# KiCad board Motherboard.kicad_pcb (continued)
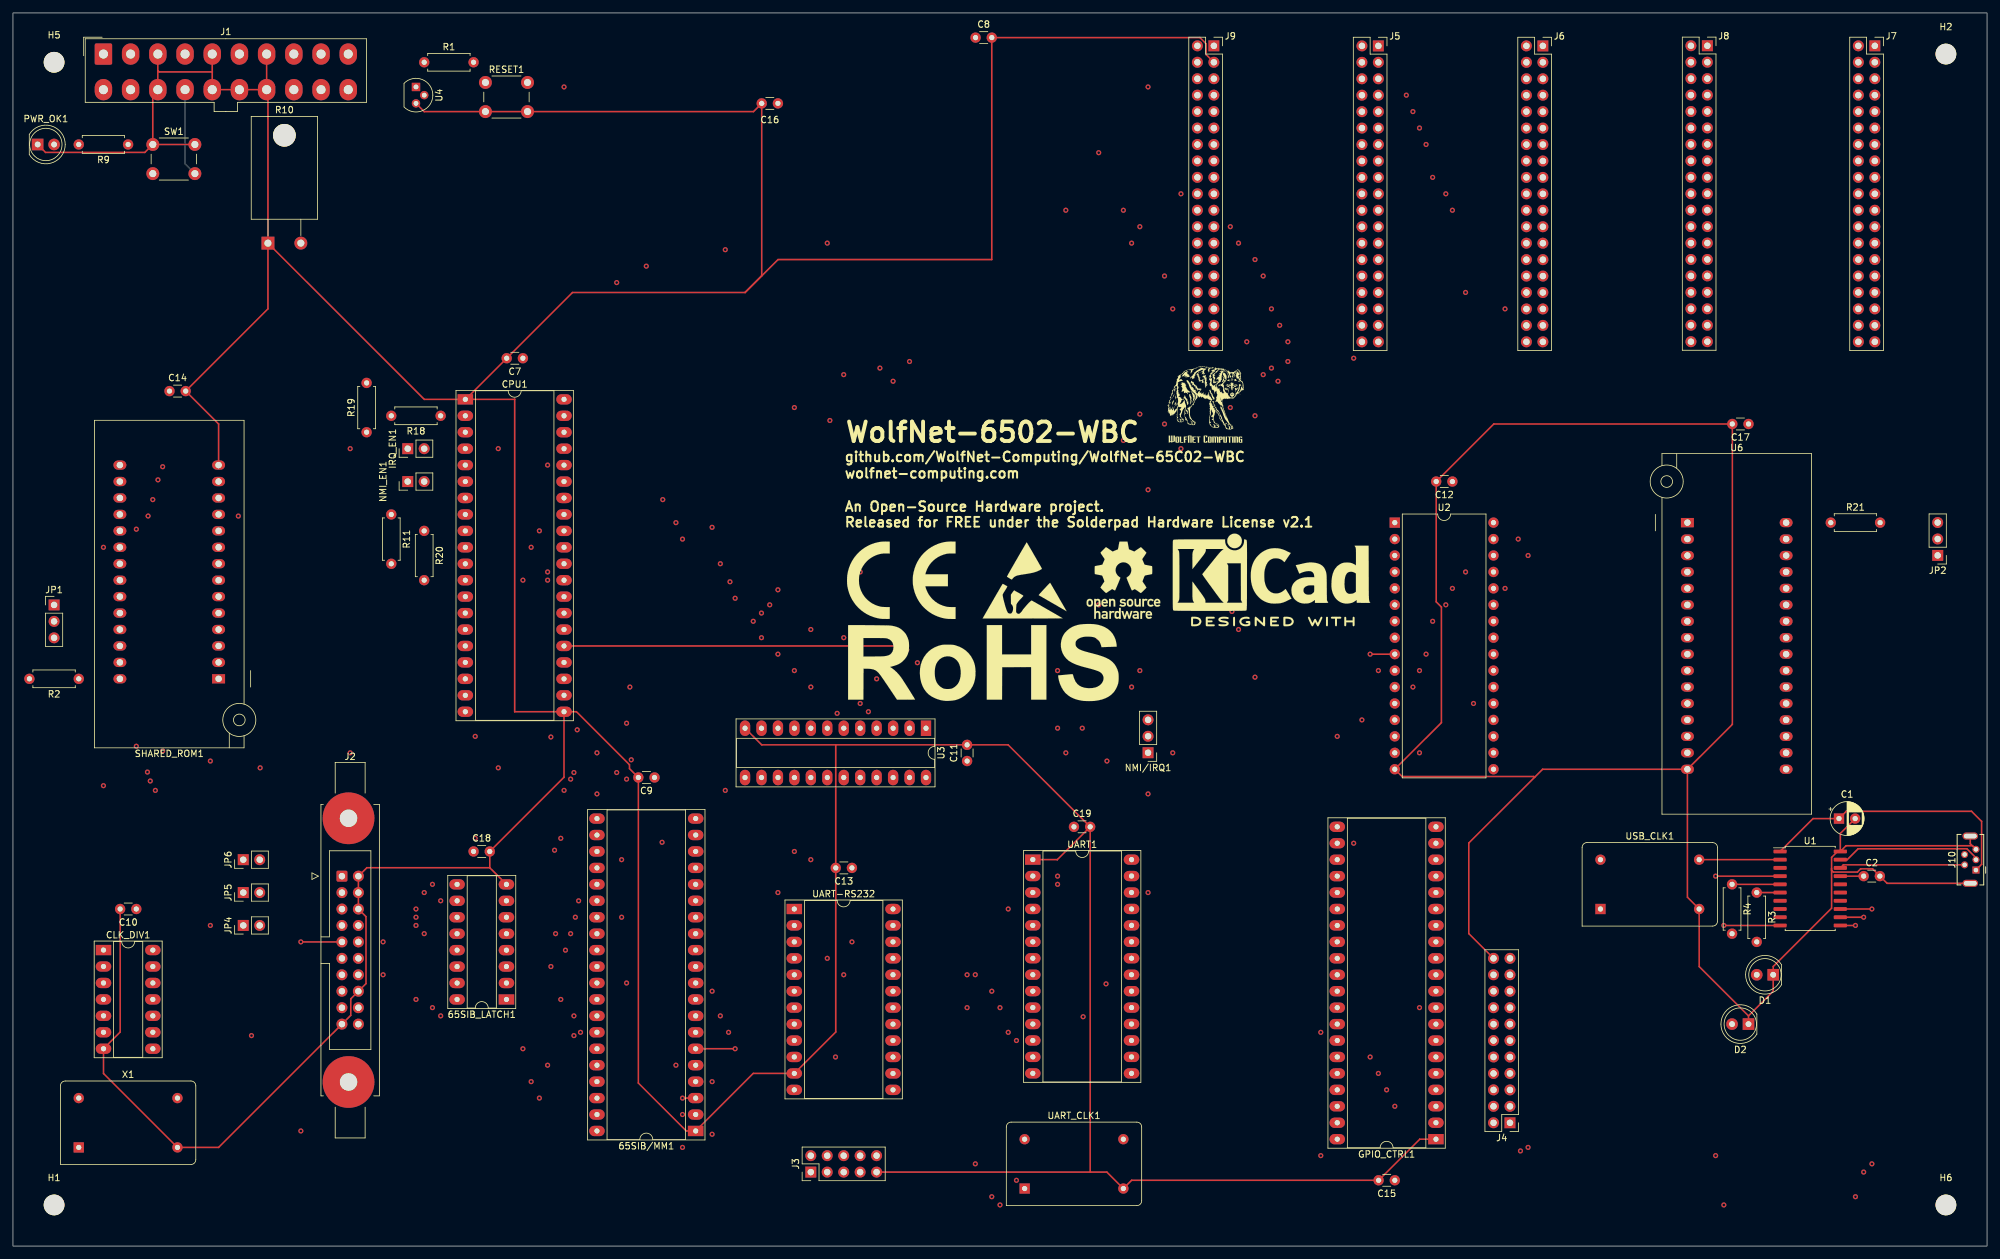
[diagram p0: board, top side]
## Nets (continued)
~{RTS_COM_PORT}: J3.4 UART-RS232.4
~{RTS_COM}: U1.13 UART1.8 UART-RS232.7
~{SEL1}: 65SIB_LATCH1.14 J2.11
~{SEL2}: 65SIB_LATCH1.13 J2.12
~{SEL3}: 65SIB_LATCH1.12 J2.14
~{SEL4}: 65SIB_LATCH1.11 J2.15
~{SEL5}: 65SIB_LATCH1.10 J2.17
~{SEL6}: 65SIB_LATCH1.9 J2.18
~{SEL7}: 65SIB_LATCH1.7 J2.20
~{WE}: JP1.1 JP2.1 U2.29 U3.21
Net-(65SIB/MM1-PB0): 65SIB/MM1.10 65SIB_LATCH1.1
Net-(65SIB/MM1-PB1): 65SIB/MM1.11 65SIB_LATCH1.2
Net-(65SIB/MM1-PB2): 65SIB/MM1.12 65SIB_LATCH1.3
Net-(65SIB/MM1-PB3): 65SIB/MM1.13 65SIB_LATCH1.4
Net-(CLK_DIV1A-D): CLK_DIV1.2 CLK_DIV1.6 CLK_DIV1.11
Net-(CLK_DIV1B-D): CLK_DIV1.8 CLK_DIV1.12
Net-(CPU1-BE): CPU1.36 R11.2
Net-(CPU1-~{IRQ}): CPU1.4 IRQ_EN1.2 R19.1
Net-(CPU1-~{NMI}): CPU1.6 NMI_EN1.2 R20.1
Net-(D1-A): D1.2 R3.2
Net-(D2-A): D2.2 R4.2
Net-(J1-PS_ON#): J1.14 SW1.2
Net-(J1-PWR_OK): J1.8 R9.1
Net-(J10-D+): J10.3 U1.19
Net-(J10-D-): J10.2 U1.18
Net-(J10-VBUS): C1.1 J10.1 U1.1
Net-(JP1-B): JP1.3 R2.2
Net-(JP1-C): JP1.2 SHARED_ROM1.27
Net-(JP2-B): JP2.3 R21.2
Net-(JP2-C): JP2.2 U6.31
Net-(PWR_OK1-A): PWR_OK1.2 R9.2
Net-(U1-GP6/RxLED): R3.1 U1.6
Net-(U1-GP7/TxLED): R4.1 U1.5
Net-(U1-OSC1): U1.2 USB_CLK1.8
Net-(U1-V_USB): C2.1 U1.17

Pads without a net: 65SIB/MM1 18 19 39; 65SIB_LATCH1 15; CPU1 5 35; J1 1 2 9 11 18; J2 MP; J3 1 2 7 8 10; J5 28; J6 28; J7 28; J8 28; J9 28; J10 4; SHARED_ROM1 1 26; U1 3 7 8 9 14 15 16; U6 1 30; UART1 5 7 11 16 17; UART-RS232 1 2 13 14 15 16 17 18 19 21 22 23 24; UART_CLK1 1; USB_CLK1 1; X1 1

## Via types
v1: diameter 0.8, hole 0.4, GND1.Cu to GND2.Cu, 235 vias

## Routing (per net, layer and track width the routed paths; a pad name or vN(x,y) marks a point on that pad's centre or on a via; arc(x,y) is an arc through that point)
+12v: length 394.8
  V2.Cu w0.25: J9.36 184.05,141.07 207.12,141.07 J5.36 209.54,140.97 232.42,140.97 J6.36 234.94,140.97 257.8,140.97 J8.36 260.35,140.99 283.68,140.99 J7.36
  12v.Cu w0.25: 55.88,184.15 56.14,183.89 56.14,52.33 J2.8 J2.10 ; 55.88,184.15 J1.10 ; 55.88,184.15 140.97,184.15 153.9,171.22 156.92,171.22 157.53,170.61 157.53,167.59 J9.36
-12v: length 490.3
  V2.Cu w0.25: v1(190.5,139.7) 190.5,138.62 190.6,138.53 ; 190.6,138.53 184.05,138.53 J9.38 ; 190.6,138.53 207.12,138.53 J5.38 209.45,138.52 232.51,138.52 J6.38 234.94,138.43 257.8,138.43 J8.38 260.37,138.43 283.66,138.43 J7.38
  12v.Cu w0.25: J1.12 20.7,181.18 20.7,185.8 22.86,187.96 190.5,187.96 v1(190.5,139.7) ; J2.13 40.84,41.91 20.14,62.6 20.14,72.82 20.04,72.92 20.04,176.48 18.17,178.35
GND: length 1515.8
  GND1.Cu w0.25: 127.04,77.43 C13.2 127.04,33.07 UART-RS232.11 114.3,26.67 65SIB/MM1.1 103.96,17.78 96.56,25.18 C9.2 95.19,73.76 95.19,74.35 87,82.55 85.09,82.55 ; 127.04,77.43 115.61,77.43 U3.12 ; 127.04,77.43 C11.2 153.66,77.43 C19.2 ; 281.72,60.96 280.8,60.04 280.8,58.29 ; 280.8,58.29 280.8,52.2 271.78,43.18 271.78,39.37 267.97,35.56 ; 280.8,58.29 280.8,58.05 281.07,57.77 284.78,57.77 285.28,58.27 287.13,58.27 C2.2 289.36,56.04 J10.6 ; R10.1 63.51,130.81 CPU1.1 77.47,130.81 77.47,130.8 77.47,82.55 77.48,82.55 85.09,82.55 ; R10.1 39.37,178.45 ; R10.1 39.37,144.78 C14.2 31.75,127 SHARED_ROM1.14 ; PWR_OK1.1 5.03,168.96 20.37,168.96 SW1.1 ; C1.2 282.14,63.75 U1.20 283.02,61.84 302.53,61.84 J10.5 302.21,62.16 J10.6 ; C19.2 166.32,11.47 166.36,11.43 ; C19.2 161.24,59.69 161.23,59.7 UART1.1 ; 30.77,181.39 J1.15 J1.17 J1.7 ; 30.77,181.39 22.57,181.39 22.37,181.59 ; 30.77,181.39 J1.5 ; 234.93,72.41 236.18,73.66 U6.16 ; 234.93,72.41 234.8,72.54 214.48,72.54 U2.16 220.55,80.85 220.55,98.72 219.75,99.52 C12.2 228.64,127 C17.2 265.47,80.59 U6.16 ; 234.93,72.41 224.78,62.27 224.78,48.26 228.6,44.44 ; J1.13 22.37,181.59 ; 22.37,181.59 J1.3 ; SW1.1 SW1.1 ; SW1.1 21.59,177.87 ; 113.04,147.31 115.61,149.88 C16.2 114.34,175.26 63.5,175.26 U4.3 ; 113.04,147.31 118.13,152.4 151.13,152.4 C8.2 183.27,186.69 184.25,185.72 184.25,184.05 J9.3 ; 113.04,147.31 86.39,147.31 C7.2 69.89,130.81 ; U6.16 258.54,53.88 USB_CLK1.7 260.35,43.18 267.97,35.56 ; 73.62,58.44 65SIB_LATCH1.8 ; 73.62,58.44 54.64,58.44 J2.2 J2.6 54.51,50.89 54.51,40.54 J2.16 52.16,38.19 52.16,35.65 J2.19 31.75,15.24 X1.7 13.98,26.66 CLK_DIV1.7 16.55,33.06 C10.2 ; 73.62,58.44 73.62,60.97 ; 166.36,11.43 J3.9 ; 166.36,11.43 168.91,11.43 UART_CLK1.7 172.72,10.16 C15.2 217.21,16.51 GPIO_CTRL1.1 ; C18.2 85.09,72.43 85.09,82.55 ; 267.97,35.56 D2.1
  H2.Cu w0.25: GPIO_CTRL1.1 236.21,16.51 236.21,16.5 236.21,43.18 229.87,43.18 228.6,44.44 ; J9.3 186.69,181.61 209.56,181.61 J5.3 212.08,181.61 234.96,181.61 J6.3 237.48,181.61 260.33,181.61 J8.3 262.9,181.61 286.2,181.61 J7.3
VCC: length 1218.2
  VCC.Cu w0.25: 229.86,59.69 229.97,59.58 229.97,20.22 J4.1 ; 229.86,59.69 229.87,59.69 USB_CLK1.14 ; 229.86,59.69 224.78,64.77 ; 85.09,125.73 107.95,125.73 127,144.78 127,163.84 118.11,172.73 C16.1 138.47,176.53 C8.1 151.07,184.25 184.25,184.25 J9.1 ; 85.09,125.73 78.73,132.07 C7.1 ; 85.09,125.73 72.39,113.03 CPU1.8 58.42,113.03 63.5,107.96 R20.2 63.5,86.9 69.37,81.03 71.37,81.03 81.28,71.12 ; SHARED_ROM1.28 16.51,54.61 C10.1 19.05,48.28 CLK_DIV1.14 ; SHARED_ROM1.28 R2.1 ; SHARED_ROM1.28 24.17,95.29 C14.1 36.88,144.79 54.61,144.79 ; 81.28,71.12 C18.1 71.12,55.87 76.2,50.8 74.67,49.27 74.67,44.19 65SIB_LATCH1.16 ; 81.28,71.12 81.5,71.34 85.39,71.34 85.61,71.12 87.63,71.12 ; 65SIB/MM1.24 87.63,60.96 87.63,71.12 ; R11.1 R18.2 54.61,132.07 54.61,144.79 ; C19.1 153.66,74.93 C11.1 143.52,74.93 U3.24 140.97,69.86 137.16,66.04 ; C19.1 164.94,65.89 195.73,65.89 GPIO_CTRL1.24 212.09,64.77 GPIO_CTRL1.20 ; C19.1 163.82,63.51 UART1.2 171.19,43.44 171.19,28.2 UART1.15 162.53,16.5 128.26,16.5 UART-RS232.12 ; 54.61,144.79 R10.2 44.45,175.53 J1.19 ; J1.20 J1.19 ; J1.19 46.2,178.65 42.68,182.18 36.94,182.18 J1.6 33,182.18 28.54,182.18 J1.4 ; C9.1 100.33,71.12 ; 100.33,71.12 87.63,71.12 ; 100.33,71.12 65SIB/MM1.20 137.16,66.04 ; 137.16,66.04 C13.1 ; 228.6,118.11 228.59,118.11 U2.32 225.01,108.17 225.01,103.84 224.78,103.62 224.78,64.77 ; 228.6,118.11 C12.1 ; 228.6,118.11 259.08,118.11 C17.1 273.78,121.19 U6.32 R21.1 ; CLK_DIV1.14 CLK_DIV1.13 20.08,41.66 20.08,37.09 CLK_DIV1.10 ; CLK_DIV1.14 CLK_DIV1.1 15.5,44.2 15.5,39.63 CLK_DIV1.4 ; U4.2 R1.1 ; 224.78,64.77 219.71,64.77 ; 215.9,64.77 215.9,22.86 213.36,20.32 C15.1
  H2.Cu w0.25: J7.1 287.47,184.32 287.3,184.15 262.9,184.15 J8.1 260.25,184.07 237.56,184.07 J6.1 234.85,184.04 212.19,184.04 J5.1 209.56,184.15 186.69,184.15 J9.1
2MHz: length 34.7
  V1.Cu w0.25: JP6.1 31.75,59.69 31.75,43.18 CLK_DIV1.9
4MHz: length 32.1
  H1.Cu w0.25: CLK_DIV1.5 20.08,41.66 20.08,46.19 28.49,54.61 JP5.1
8MHz: length 423.4
  V1.Cu w0.25: v1(95.47,75.12) 95.47,86.14 v1(95.25,86.36) ; X1.8 35.56,33.02 JP4.1 ; v1(30.48,74.93) v1(30.48,49.53) ; v1(172.72,154.94) v1(172.72,86.36)
  H1.Cu w0.25: v1(30.48,74.93) 95.27,74.93 v1(95.47,75.12) ; J9.26 v1(172.72,154.94) ; v1(30.48,49.53) JP4.1 ; v1(95.25,86.36) 96.07,87.18 123.64,87.18 124.46,86.36 v1(172.72,86.36)
  V2.Cu w0.25: X1.8 15.5,32.76 15.5,39.12 CLK_DIV1.3 ; J9.26 184.15,153.67 207.02,153.67 J5.26 209.54,153.67 232.42,153.67 J6.26 234.94,153.67 257.8,153.67 J8.26 260.35,153.69 283.68,153.69 J7.26
65SIB_CLK: length 56.2
  H1.Cu w0.25: 65SIB/MM1.17 104.14,57.15 65.02,57.15 63.75,55.88 52.07,55.88 J2.3
65SIB_MISO: length 62.8
  V1.Cu w0.25: v1(63.5,54.61) v1(63.5,48.26)
  H1.Cu w0.25: J2.7 50.8,48.27 50.8,48.26 v1(63.5,48.26)
  H2.Cu w0.25: 65SIB/MM1.16 104.14,54.61 v1(63.5,54.61)
65SIB_MOSI: length 57.7
  V1.Cu w0.25: v1(62.23,50.8) v1(62.23,52.07)
  H1.Cu w0.25: v1(62.23,52.07) 104.14,52.07 65SIB/MM1.15 ; v1(62.23,50.8) 50.8,50.8 50.8,50.81 J2.5
A0: length 589.6
  V1.Cu w0.25: v1(215.14,177.8) 215.14,83.82 U2.12 214.48,82.7 214.48,22.71 v1(213.36,21.59) ; v1(81.28,110.49) v1(81.28,22.86)
  H1.Cu w0.25: v1(81.28,22.86) 65SIB/MM1.38 ; v1(81.28,110.49) 81.28,110.48 69.84,110.48 ; GPIO_CTRL1.38 v1(213.36,21.59)
  V2.Cu w0.25: U2.12 214.48,82.7 257.41,82.7 U6.12 ; GPIO_CTRL1.38 165.1,21.59 UART1.13
  H2.Cu w0.25: 215.39,179.07 234.96,179.07 J6.5 237.46,179.09 260.35,179.09 J8.5 262.9,179.07 286.2,179.07 J7.5 ; 215.39,179.07 215.14,178.82 v1(215.14,177.8) ; 215.39,179.07 212.08,179.07 J5.5 209.56,179.07 186.69,179.07 J9.5 ; SHARED_ROM1.10 59.44,110.49 60.71,109.22 68.58,109.22 69.84,110.48 ; UART1.13 156.34,28.09 119.77,28.09 118.8,29.06 96.37,29.06 65SIB/MM1.38
A1: length 581.4
  V1.Cu w0.25: U2.11 212.09,86.36 v1(212.09,24.13) ; v1(216.15,86.36) v1(216.15,175.26) ; v1(80.01,25.4) v1(80.01,107.95)
  H1.Cu w0.25: v1(212.09,24.13) GPIO_CTRL1.37 160.02,24.13 UART1.14 ; CPU1.10 80.01,107.95 v1(80.01,107.95) ; 65SIB/MM1.37 v1(80.01,25.4) ; U2.11 v1(216.15,86.36)
  V2.Cu w0.25: U6.11 257.41,85.24 214.48,85.24 U2.11
  H2.Cu w0.25: 215.9,176.53 216.15,176.28 v1(216.15,175.26) ; 215.9,176.53 234.96,176.53 J6.7 237.46,176.55 260.35,176.55 J8.7 262.9,176.53 286.2,176.53 J7.7 ; 215.9,176.53 212.08,176.53 J5.7 209.56,176.53 186.69,176.53 J9.7 ; UART1.14 152.53,21.74 89.3,21.74 88.65,22.39 88.65,23.88 65SIB/MM1.37 ; SHARED_ROM1.9 33.02,106.68 68.58,106.68 CPU1.10
A2: length 576.2
  V1.Cu w0.25: v1(217.17,88.9) v1(217.17,172.72) ; v1(82.55,102.87) 82.33,102.65 82.33,28.16 v1(82.55,27.94) ; v1(210.82,88.9) v1(210.82,26.67)
  H1.Cu w0.25: v1(210.82,88.9) U2.10 v1(217.17,88.9) ; 65SIB/MM1.36 v1(82.55,27.94) ; v1(82.55,102.87) 80.02,105.41 CPU1.11 ; GPIO_CTRL1.36 v1(210.82,26.67)
  V2.Cu w0.25: U2.10 214.48,87.78 257.41,87.78 U6.10
  H2.Cu w0.25: 217.42,173.99 212.08,173.99 J5.9 209.56,173.99 186.69,173.99 J9.9 ; 217.42,173.99 234.96,173.99 J6.9 237.37,174.1 260.45,174.1 J8.9 262.81,174.09 286.3,174.09 J7.9 ; 217.42,173.99 217.17,173.74 v1(217.17,172.72) ; CPU1.11 68.58,104.14 33.02,104.14 SHARED_ROM1.8 ; GPIO_CTRL1.36 197,19.2 89.3,19.2 88.2,20.3 88.2,25.97 65SIB/MM1.36
A3: length 555.8
  GND1.Cu w0.25: v1(209.55,91.44) U2.9
  V1.Cu w0.25: v1(78.74,102.87) v1(78.74,30.48) ; v1(218.19,91.44) 218.18,91.45 218.18,170.17 v1(218.19,170.18) ; v1(209.55,29.21) v1(209.55,91.44)
  H1.Cu w0.25: GPIO_CTRL1.35 v1(209.55,29.21) ; CPU1.12 78.73,102.87 v1(78.74,102.87) ; v1(78.74,30.48) 65SIB/MM1.35 ; U2.9 v1(218.19,91.44)
  V2.Cu w0.25: U2.9 214.48,90.32 257.41,90.32 U6.9 ; GPIO_CTRL1.35 203.34,30.34 112.4,30.34 111.41,29.36 91.29,29.36 65SIB/MM1.35
  H2.Cu w0.25: J7.11 286.2,171.45 262.9,171.45 J8.11 260.45,171.56 237.37,171.56 J6.11 234.85,171.34 218.33,171.34 ; 218.33,171.34 218.19,171.2 v1(218.19,170.18) ; 218.33,171.34 212.19,171.34 J5.11 209.56,171.45 186.69,171.45 J9.11 ; CPU1.12 68.58,101.6 33.02,101.6 SHARED_ROM1.7
A4: length 456.8
  V1.Cu w0.25: v1(167.64,168.91) v1(167.64,99.06) v1(167.64,93.98)
  H1.Cu w0.25: CPU1.13 69.84,99.07 69.85,99.06 v1(116.84,99.06) v1(167.64,99.06) ; v1(167.64,93.98) U2.8
  V2.Cu w0.25: v1(116.84,99.06) 116.7,98.92 116.7,73.5 U3.14 ; U6.8 257.41,92.86 214.48,92.86 U2.8
  H2.Cu w0.25: SHARED_ROM1.6 33.02,99.06 68.58,99.06 CPU1.13 ; v1(167.64,168.91) 167.74,168.81 184.05,168.81 J9.13 186.69,168.91 209.56,168.91 J5.13 212.08,168.91 234.96,168.91 J6.13 237.48,168.91 260.33,168.91 J8.13 262.89,168.93 286.21,168.93 J7.13
A5: length 437.2
  V1.Cu w0.25: v1(114.3,96.52) 114.3,73.65 U3.13 ; v1(219.2,96.52) 219.2,117.07 218.63,117.64 218.63,118.8 219.2,119.38 v1(219.2,165.1)
  H1.Cu w0.25: CPU1.14 69.84,96.53 69.85,96.52 v1(114.3,96.52) U2.7 v1(219.2,96.52)
  V2.Cu w0.25: U6.7 257.41,95.4 214.48,95.4 U2.7
  H2.Cu w0.25: 219.46,166.37 212.08,166.37 J5.15 209.56,166.37 186.69,166.37 J9.15 ; 219.46,166.37 219.2,166.12 v1(219.2,165.1) ; 219.46,166.37 234.96,166.37 J6.15 237.48,166.37 260.33,166.37 261.62,167.66 262.9,166.37 286.2,166.37 J7.15 ; SHARED_ROM1.5 33.02,96.52 68.58,96.52 CPU1.14
A6: length 427.4
  V1.Cu w0.25: v1(221.23,99.06) 221.13,99.17 221.13,162.45 v1(221.23,162.56) ; U3.11 115.58,93.98 v1(115.57,93.98) v1(115.57,97.79)
  H1.Cu w0.25: v1(221.23,99.06) U2.6 168.91,99.06 167.64,97.79 v1(115.57,97.79) ; v1(115.57,93.98) 69.85,93.98 69.84,93.98 CPU1.15
  V2.Cu w0.25: U6.6 257.41,97.94 214.48,97.94 U2.6
  H2.Cu w0.25: J9.17 186.69,163.83 209.56,163.83 J5.17 212.08,163.83 220.98,163.83 ; 220.98,163.83 234.96,163.83 J6.17 237.48,163.83 260.33,163.83 J8.17 262.9,163.83 286.2,163.83 J7.17 ; 220.98,163.83 221.23,163.58 v1(221.23,162.56) ; SHARED_ROM1.4 33.02,93.98 68.58,93.98 CPU1.15
A7: length 426.3
  V1.Cu w0.25: v1(222.25,160.02) 222.25,120.4 223.37,119.27 223.37,102.72 v1(222.25,101.6) ; v1(118.11,101.38) v1(118.11,91.44) 118.11,91.44 118.11,80
  H1.Cu w0.25: v1(118.11,101.38) 118.33,101.6 U2.5 v1(222.25,101.6) ; v1(118.11,91.44) 69.85,91.44 69.84,91.45 CPU1.16
  V2.Cu w0.25: U2.5 214.48,100.48 257.41,100.48 U6.5
  H2.Cu w0.25: J7.19 286.2,161.29 262.9,161.29 J8.19 260.35,161.31 237.46,161.31 J6.19 234.96,161.29 222,161.29 ; J9.19 186.69,161.29 209.56,161.29 J5.19 212.08,161.29 222,161.29 ; 222,161.29 222.25,161.04 v1(222.25,160.02) ; CPU1.16 31.75,92.71
A8: length 499.8
  V1.Cu w0.25: U3.9 120.66,88.9 v1(120.65,88.9) v1(120.65,129.54) ; v1(187.96,157.48) v1(187.96,129.54) 188.21,129.29 v1(188.21,98.04)
  H1.Cu w0.25: v1(120.65,129.54) v1(187.96,129.54) ; v1(120.65,88.9) 120.2,89.35 95.06,89.35 94.62,88.91 71.11,88.91 CPU1.17 ; U2.27 227.47,97.94 188.32,97.94 v1(188.21,98.04)
  H2.Cu w0.25: U2.27 229.64,98.02 272.73,98.02 U6.27 ; CPU1.17 68.58,88.9 29.7,88.9 29.7,93.98 17.22,106.45 15.8,106.45 14.74,105.39 14.74,97.02 SHARED_ROM1.25 ; J9.21 186.69,158.75 187.96,158.75 ; v1(187.96,157.48) 187.96,158.75 ; 187.96,158.75 209.56,158.75 J5.21 212.08,158.75 234.96,158.75 J6.21 237.48,158.75 260.33,158.75 J8.21 262.9,158.75 286.2,158.75 J7.21
A9: length 448.1
  V1.Cu w0.25: v1(123.19,95.25) v1(123.19,86.36) 123.2,86.36 U3.8 ; v1(189.23,154.94) v1(189.23,95.25)
  H1.Cu w0.25: CPU1.18 71.11,86.37 94.22,86.37 94.95,85.64 122.47,85.64 v1(123.19,86.36) ; v1(123.19,95.25) v1(189.23,95.25) 189.23,95.25 228.59,95.25 U2.26
  H2.Cu w0.25: 189.23,156.21 186.69,156.21 J9.23 ; 189.23,156.21 209.56,156.21 J5.23 212.08,156.21 234.96,156.21 J6.23 237.37,156.32 260.45,156.32 J8.23 263,156.11 286.1,156.11 J7.23 ; 189.23,156.21 v1(189.23,154.94) ; U2.26 229.64,95.48 272.73,95.48 U6.26 ; SHARED_ROM1.24 27.71,86.59 68.81,86.59 CPU1.18
A10: length 437.5
  V1.Cu w0.25: U3.7 125.73,81.2 125.92,81.39 125.92,83.88 126.3,84.26 126.3,127.38 v1(126.13,127.54) ; v1(191.77,152.4) v1(191.77,128.27) v1(191.77,87.88)
  H1.Cu w0.25: v1(126.13,127.54) 126.39,127.8 191.3,127.8 v1(191.77,128.27) ; U2.23 227.47,87.78 191.88,87.78 v1(191.77,87.88)
  H2.Cu w0.25: v1(191.77,152.4) 191.77,153.67 ; 191.77,153.67 209.56,153.67 J5.25 212.08,153.67 234.96,153.67 J6.25 237.46,153.69 260.35,153.69 J8.25 262.9,153.67 286.2,153.67 J7.25 ; 191.77,153.67 186.69,153.67 J9.25 ; U6.23 272.73,87.86 229.64,87.86 U2.23 ; SHARED_ROM1.21 15.19,104.09 15.19,97.36 16.02,96.52 17,96.52 28.43,85.09 CPU1.19
A11: length 511.7
  V1.Cu w0.25: 128.27,80 v1(128.27,93.98) 128.27,134.62 v1(128.27,134.62) ; v1(193.04,134.62) v1(193.04,149.86)
  H1.Cu w0.25: 128.27,80 125.74,77.47 74.93,77.47 71.12,81.28 71.11,81.28 CPU1.20 ; U2.25 227.47,92.86 129.4,92.86 v1(128.27,93.98) ; v1(128.27,134.62) v1(193.04,134.62)
  V2.Cu w0.25: SHARED_ROM1.23 27.94,88.9 63.49,88.9 CPU1.20
  H2.Cu w0.25: U2.25 229.64,92.94 272.73,92.94 U6.25 ; 193.04,151.13 209.56,151.13 J5.27 212.08,151.13 234.96,151.13 J6.27 237.46,151.15 260.35,151.15 J8.27 262.9,151.13 286.2,151.13 J7.27 ; 193.04,151.13 186.69,151.13 J9.27 ; 193.04,151.13 v1(193.04,149.86)
A12: length 417.1
  V1.Cu w0.25: v1(224.28,104.14) v1(224.28,147.32) ; U3.5 130.81,83.81 v1(130.81,83.82) v1(130.81,104.14)
  H1.Cu w0.25: v1(130.81,104.14) U2.4 v1(224.28,104.14) ; v1(130.81,83.82) 129.79,83.82 128.52,85.09 85.09,85.09
  V2.Cu w0.25: U6.4 257.41,103.02 214.48,103.02 U2.4
  H2.Cu w0.25: 85.09,85.09 78.88,91.29 32.87,91.29 SHARED_ROM1.2 ; 224.03,148.59 224.28,148.34 v1(224.28,147.32) ; 224.03,148.59 212.08,148.59 J5.29 209.65,148.68 186.6,148.68 J9.29 ; 224.03,148.59 234.96,148.59 J6.29 237.48,148.59 260.33,148.59 J8.29 262.89,148.61 286.21,148.61 J7.29
A13: length 327.6
  V1.Cu w0.25: v1(133.86,135.64) 133.86,88.14 v1(133.35,87.63) 133.35,87.62 U3.4 ; v1(194.31,135.64) v1(194.31,144.78) ; v1(230.38,101.6) v1(230.38,144.78)
  H1.Cu w0.25: U2.28 v1(230.38,101.6) ; v1(133.35,87.63) 85.09,87.63 ; v1(133.86,135.64) v1(194.31,135.64)
  H2.Cu w0.25: 230.63,146.05 230.63,145.03 v1(230.38,144.78) ; 230.63,146.05 212.08,146.05 J5.31 209.56,146.05 194.31,146.05 ; 230.63,146.05 234.96,146.05 J6.31 237.46,146.06 260.35,146.06 J8.31 262.9,146.05 286.2,146.05 J7.31 ; J9.31 186.69,146.05 194.31,146.05 ; 194.31,146.05 v1(194.31,144.78)
A14: length 325
  V1.Cu w0.25: v1(195.33,106.68) v1(195.33,133.6) 195.33,141.99 v1(195.58,142.24) ; U3.3 135.89,90.17 v1(135.89,90.17) v1(135.89,133.6)
  H1.Cu w0.25: v1(135.89,133.6) v1(195.33,133.6) ; v1(135.89,90.17) 135.88,90.17 85.09,90.17 ; U2.3 v1(195.33,106.68)
  H2.Cu w0.25: 195.58,143.51 186.69,143.51 J9.33 ; 195.58,143.51 209.56,143.51 J5.33 212.08,143.51 234.96,143.51 J6.33 237.48,143.51 260.33,143.51 J8.33 262.81,143.61 286.3,143.61 J7.33 ; 195.58,143.51 v1(195.58,142.24)
A15: length 279.1
  GND1.Cu w0.25: 85.09,92.71 137.43,92.71 v1(138,92.13)
  V1.Cu w0.25: v1(138.43,136.65) 138.44,136.65 138.44,92.56 v1(138,92.13) 138.44,91.7 U3.2 ; v1(196.85,136.65) v1(196.85,139.7)
  H1.Cu w0.25: v1(138.43,136.65) v1(196.85,136.65)
  H2.Cu w0.25: 196.85,140.97 v1(196.85,139.7) ; 196.85,140.97 186.69,140.97 J9.35 ; 196.85,140.97 209.56,140.97 J5.35 212.08,140.97 234.96,140.97 J6.35 237.46,140.99 260.35,140.99 J8.35 262.9,140.97 286.2,140.97 J7.35
CA1: length 55.6
  H2.Cu w0.25: GPIO_CTRL1.40 202.95,18.03 202.95,19.52 203.74,20.31 216.44,20.31 218.89,22.76 231.63,22.76 232.31,23.45 232.31,39.85 231.53,40.64 229.87,40.64 J4.18
CA2: length 55.5
  H2.Cu w0.25: J4.19 232.41,40.64 234.94,40.64 234.94,20.5 234.66,20.22 218.89,20.22 217.72,19.05 GPIO_CTRL1.39
CB1: length 21.5
  H2.Cu w0.25: J4.20 227.43,43.08 227.43,51.97 GPIO_CTRL1.18
CB2: length 22.5
  H2.Cu w0.25: GPIO_CTRL1.19 231.14,50.8 231.14,44.44
CLK: length 364.3
  V1.Cu w0.25: v1(180.34,123.19) v1(180.34,162.56) ; v1(38.17,73.88) 38.1,73.81 JP6.2 JP4.2 ; v1(74.93,123.19) 74.93,73.88 v1(74.94,73.88)
  H1.Cu w0.25: v1(180.34,123.19) 180.33,123.19 74.94,123.19 v1(74.93,123.19) ; v1(74.94,73.88) 74.94,73.67 74.93,73.66 38.39,73.66 v1(38.17,73.88) ; v1(180.34,162.56) J9.20
  V2.Cu w0.25: J7.20 283.68,161.31 260.35,161.31 J8.20 257.8,161.29 234.94,161.29 J6.20 232.42,161.29 209.54,161.29 J5.20 207.02,161.29 184.15,161.29 J9.20
GPIO0: length 8.9
  H1.Cu w0.25: GPIO_CTRL1.2 228.59,19.05
GPIO1: length 12.5
  H1.Cu w0.25: GPIO_CTRL1.3 220.98,20.31 229.87,20.31 J4.3
GPIO2: length 9.9
  H1.Cu w0.25: GPIO_CTRL1.4 222.25,21.59 J4.4
GPIO3: length 13.5
  H1.Cu w0.25: 231.14,24.12 229.97,22.95 223.43,22.95 GPIO_CTRL1.5
GPIO4: length 11
  H1.Cu w0.25: 228.6,24.12 224.79,24.12 GPIO_CTRL1.6
GPIO5: length 14.6
  H1.Cu w0.25: 231.14,26.66 229.87,25.4 226.06,25.4 GPIO_CTRL1.7
GPIO6: length 12
  H1.Cu w0.25: 228.6,26.66 227.33,26.66 GPIO_CTRL1.8
GPIO7: length 15.5
  H1.Cu w0.25: 219.71,36.43 228.21,27.94 229.87,27.94 J4.9
GPIO8: length 52.1
  H1.Cu w0.25: J4.10 229.48,29.21 230.65,30.38 231.63,30.38 232.31,29.69 232.31,17.87 218.9,17.87 218.19,18.58 218.19,37.85 GPIO_CTRL1.10
GPIO9: length 18.4
  H1.Cu w0.25: J4.11 229.87,30.47 228.21,30.47 221.23,37.45 221.23,40.39 GPIO_CTRL1.11
GPIO11: length 21
  H1.Cu w0.25: 231.14,34.28 229.87,33.02 228.21,33.02 223.13,38.09 223.13,43.57 GPIO_CTRL1.13
GPIO12: length 18.9
  H1.Cu w0.25: 228.6,34.28 227.43,35.46 227.42,35.46 224.34,38.54 224.34,44.9 GPIO_CTRL1.14
GPIO13: length 23.5
  H1.Cu w0.25: GPIO_CTRL1.15 224.78,47 224.78,38.98 228.21,35.56 229.87,35.56 J4.15
GPIO14: length 21.5
  H1.Cu w0.25: J4.16 226.05,39.37 226.05,48.27 GPIO_CTRL1.16
GPIO15: length 26
  H2.Cu w0.25: GPIO_CTRL1.17 221.23,55.63 221.23,45.07 228.21,38.09 229.87,38.09 J4.17
MEM_D0: length 553.4
  V1.Cu w0.25: GPIO_CTRL1.33 208.28,38.1 v1(208.28,81.28) ; v1(165.1,80.01) 167.44,77.67 167.44,37.63 v1(165.24,35.42) ; v1(86.61,32.51) v1(86.61,35.56) ; v1(36.83,32.51) 36.83,110.74 v1(34.8,112.78)
  H1.Cu w0.25: v1(36.83,32.51) v1(86.61,32.51) ; v1(34.8,112.78) 34.54,113.03 SHARED_ROM1.11 ; v1(86.61,35.56) 65SIB/MM1.33 ; v1(165.1,80.01) 207.01,80.01 v1(208.28,81.28) U2.13 ; GPIO_CTRL1.33 172.72,34.29
  V2.Cu w0.25: UART1.18 171.59,35.42 v1(165.24,35.42) 136.76,35.42 136.75,35.41 135.01,35.41 134.36,34.76 122.16,34.76 121.51,35.41 119.77,35.41 119.12,34.76 108.2,34.76 106.28,36.68 91.29,36.68 65SIB/MM1.33 ; U2.13 214.48,80.16 257.41,80.16 U6.13 ; J7.2 283.77,184.26 260.25,184.26 J8.2 257.88,184.24 234.85,184.24 J6.2 232.51,184.24 209.45,184.24 J5.2 207.12,184.25 184.05,184.25 J9.2
MEM_D1: length 437.4
  V1.Cu w0.25: v1(71.37,78.74) v1(71.37,62.99) ; v1(84.58,62.99) v1(84.58,38.1) ; v1(217.17,36.83) v1(217.17,76.2)
  H1.Cu w0.25: v1(71.37,78.74) 35.56,114.55 35.56,115.57 SHARED_ROM1.12 ; GPIO_CTRL1.32 v1(217.17,36.83) ; UART1.19 204.46,36.84 ; v1(71.37,62.99) v1(84.58,62.99) ; v1(84.58,38.1) 65SIB/MM1.32
  V2.Cu w0.25: v1(217.17,76.2) 217.17,77.47 217.32,77.62 218.29,77.62 ; 65SIB/MM1.32 91.29,39.22 106.28,39.22 107.54,37.96 165.1,37.96 166.22,36.84 UART1.19 ; J7.4 283.68,181.62 260.35,181.62 J8.4 257.8,181.61 234.94,181.61 J6.4 232.51,181.7 209.45,181.7 J5.4 207.12,181.71 184.05,181.71 J9.4 ; U2.14 214.48,77.62 218.29,77.62 ; 218.29,77.62 257.41,77.62 U6.14
MEM_D2: length 590.7
  V1.Cu w0.25: v1(94.74,80.77) 94.02,80.05 94.02,71.84 94.74,71.11 v1(94.74,40.64) ; v1(168.77,40.5) 168.91,40.64 v1(168.91,74.93) ; v1(162.56,76.2) v1(162.56,160.02)
  H1.Cu w0.25: U2.15 212.2,75.04 163.72,75.04 v1(162.56,76.2) ; 65SIB/MM1.31 v1(94.74,40.64) ; v1(162.56,160.02) J9.6 ; v1(94.74,80.77) 73.61,80.77 70.56,83.82 69.12,83.82 34.83,118.11 SHARED_ROM1.13 ; UART1.20 204.46,39.38
  V2.Cu w0.25: J7.6 283.58,178.99 260.45,178.99 J8.6 257.8,179.07 234.94,179.07 J6.6 232.42,179.07 209.54,179.07 J5.6 207.02,179.07 184.15,179.07 J9.6 ; 65SIB/MM1.31 91.29,41.76 106.28,41.76 107.54,40.5 171.59,40.5 UART1.20 ; U6.15 257.41,75.08 214.48,75.08 U2.15
MEM_D3: length 709.9
  V1.Cu w0.25: v1(127.25,82.3) 127.25,142.94 125.73,144.46 v1(125.73,154.94) ; v1(83.06,43.18) 82.9,43.34 82.9,78.49 v1(83.06,78.64) ; v1(23.11,120.4) v1(23.11,76.49)
  H1.Cu w0.25: SHARED_ROM1.15 22.86,120.65 v1(23.11,120.4) ; v1(23.11,76.49) 50.75,76.49 51.77,75.48 90.47,75.48 90.89,75.9 128.71,75.9 131.94,79.13 131.94,80.87 130.51,82.3 v1(127.25,82.3) 126.95,82.6 123.8,82.6 122.07,80.87 122.07,79.13 121.31,78.37 83.33,78.37 v1(83.06,78.64) ; 65SIB/MM1.30 v1(83.06,43.18) ; v1(125.73,154.94) 125.76,154.97 125.76,156.44 155.17,156.44 156.21,157.48 162.56,157.48 J9.8 ; GPIO_CTRL1.30 172.72,41.91
  V2.Cu w0.25: J9.8 184.05,176.63 207.12,176.63 J5.8 209.54,176.53 232.42,176.53 J6.8 234.94,176.53 257.8,176.53 J8.8 260.35,176.55 283.68,176.55 J7.8 ; 65SIB/MM1.30 91.29,44.3 106.28,44.3 107.54,43.04 171.59,43.04 UART1.21
  H2.Cu w0.25: GPIO_CTRL1.30 213.36,50.8 213.36,60.41 226.61,73.66 U2.17 229.64,72.62 272.73,72.62 U6.17
MEM_D4: length 648.2
  V1.Cu w0.25: v1(22.39,118.37) 22.39,79.49 22.3,79.4 22.3,78.8 22.39,78.71 22.39,70.8 v1(21.99,70.4) ; v1(109.98,153.92) v1(109.98,70.4) ; v1(85.09,70.4) 85.31,70.18 v1(85.31,45.71)
  H1.Cu w0.25: v1(22.39,118.37) 22.13,118.11 SHARED_ROM1.16 ; UART1.22 204.46,44.46 ; v1(109.98,70.4) 109.77,70.61 85.31,70.61 v1(85.09,70.4) 84.82,70.67 22.26,70.67 v1(21.99,70.4) ; v1(85.31,45.71) 85.31,45.72 65SIB/MM1.29 ; J9.10 162.56,154.94 156.21,154.94 155.17,153.9 122.15,153.9 122.06,153.81 110.1,153.81 v1(109.98,153.92)
  V2.Cu w0.25: 65SIB/MM1.29 91.29,46.84 106.28,46.84 107.54,45.58 171.59,45.58 UART1.22 ; J7.10 283.68,174 260.35,174 J8.10 257.8,173.99 234.94,173.99 J6.10 232.42,173.99 209.54,173.99 J5.10 207.02,173.99 184.15,173.99 J9.10
  H2.Cu w0.25: U6.18 272.51,74.93 229.86,74.93 U2.18 227.46,76.2 212.91,61.65 212.91,52.89 GPIO_CTRL1.29
MEM_D5: length 634.7
  V1.Cu w0.25: v1(21.2,71.84) 21.3,71.84 21.59,72.14 v1(21.59,115.32) ; v1(94.74,72.14) 94.74,72.16 97.79,75.21 v1(97.79,151.38) ; v1(86.11,48.26) v1(86.11,72.14)
  H1.Cu w0.25: 65SIB/MM1.28 v1(86.11,48.26) ; UART1.23 204.46,47 ; v1(21.2,71.84) 21.5,72.14 86.1,72.14 v1(86.11,72.14) v1(94.74,72.14) ; SHARED_ROM1.17 21.34,115.57 v1(21.59,115.32) ; v1(97.79,151.38) 97.9,151.27 121.61,151.27 121.7,151.36 155.17,151.36 156.21,152.4 162.56,152.4 J9.12
  V2.Cu w0.25: J9.12 184.05,171.55 207.12,171.55 J5.12 209.54,171.45 232.42,171.45 J6.12 234.94,171.45 257.8,171.45 J8.12 260.37,171.45 283.66,171.45 J7.12 ; 65SIB/MM1.28 91.29,49.38 106.28,49.38 107.54,48.12 171.59,48.12 UART1.23
  H2.Cu w0.25: GPIO_CTRL1.28 212.46,54.98 212.46,62.61 U2.19 229.64,77.7 272.73,77.7 U6.19
MEM_D6: length 626.8
  V1.Cu w0.25: v1(20.76,73.22) 21.08,73.54 21.08,112.78 21.08,112.78 v1(20.87,112.78) ; v1(93.22,73.15) v1(93.22,148.84) ; v1(86.83,50.81) 86.61,51.02 86.61,71.62 86.83,71.84 86.83,72.94 v1(86.61,73.15)
  H1.Cu w0.25: v1(20.76,73.22) 20.83,73.29 23.23,73.29 23.37,73.15 v1(86.61,73.15) v1(93.22,73.15) ; v1(86.83,50.81) 86.84,50.8 65SIB/MM1.27 ; v1(93.22,148.84) 93.33,148.73 122.06,148.73 122.15,148.82 155.17,148.82 156.21,149.86 162.56,149.86 J9.14 ; v1(20.87,112.78) 20.62,113.03 SHARED_ROM1.18 ; GPIO_CTRL1.27 172.72,49.53
  V2.Cu w0.25: J7.14 283.77,169.02 260.25,169.02 J8.14 257.8,168.91 234.94,168.91 J6.14 232.42,168.91 209.54,168.91 J5.14 207.02,168.91 184.15,168.91 J9.14 ; UART1.24 171.59,50.66 107.54,50.66 106.28,51.92 91.29,51.92 65SIB/MM1.27
  H2.Cu w0.25: GPIO_CTRL1.27 212.01,57.07 212.01,64.7 U2.20 229.64,80.24 272.73,80.24 U6.20
MEM_D7: length 561.2
  V1.Cu w0.25: v1(87.34,53.33) 87.34,79.54 v1(87.12,79.76) ; v1(19.05,110.74) 19.19,110.6 19.19,77.36 v1(19.05,77.22)
  H1.Cu w0.25: v1(19.05,77.22) 71.65,77.22 71.85,77.02 127.29,77.02 129.4,79.13 129.4,80.87 128.74,81.52 127.51,81.52 127.23,81.25 126.63,81.25 126.36,81.52 125.27,81.52 124.61,80.87 124.61,79.13 123.4,77.92 75.12,77.92 73.74,79.3 74.19,79.76 v1(87.12,79.76) ; 65SIB/MM1.26 87.34,53.34 v1(87.34,53.33) ; SHARED_ROM1.19 18.8,110.49 v1(19.05,110.74) ; UART1.25 204.46,52.08
  V2.Cu w0.25: 65SIB/MM1.26 91.29,54.46 117.23,54.46 118.49,53.2 171.59,53.2 UART1.25 ; J9.16 184.05,166.47 207.12,166.47 J5.16 209.54,166.37 232.42,166.37 J6.16 234.94,166.37 257.8,166.37 259.08,167.66 260.35,166.38 283.68,166.38 J7.16
  H2.Cu w0.25: GPIO_CTRL1.26 211.56,59.16 211.56,66.79 U2.21 229.64,82.78 272.73,82.78 U6.21
PHI1: length 255.6
  V1.Cu w0.25: v1(171.45,160.02) v1(171.45,124.46)
  H1.Cu w0.25: v1(171.45,124.46) 171.12,124.13 131.27,124.13 130.93,124.46 71.11,124.46 CPU1.3
  V2.Cu w0.25: J9.22 184.05,158.85 207.12,158.85 J5.22 209.54,158.75 232.42,158.75 J6.22 234.94,158.75 257.8,158.75 J8.22 260.35,158.77 283.68,158.77 J7.22
  H2.Cu w0.25: J9.22 v1(171.45,160.02)
PHI2: length 455.3
  V1.Cu w0.25: v1(173.99,88.9) v1(173.99,128.52) v1(173.99,157.48) ; v1(161.29,88.9) v1(161.29,80.01) v1(161.29,57.15) v1(161.29,55.88)
  H1.Cu w0.25: v1(161.29,55.88) 118.11,55.88 116.84,54.61 91.44,54.61 65SIB/MM1.25 ; GPIO_CTRL1.25 201.92,57.16 UART1.27 161.3,57.16 v1(161.29,57.15) ; U3.1 161.28,80 v1(161.29,80.01) ; v1(173.99,128.52) 173.73,128.26 85.09,128.26 ; J9.24 v1(173.99,157.48) ; v1(173.99,88.9) v1(161.29,88.9)
  V2.Cu w0.25: J9.24 184.15,156.21 207.02,156.21 J5.24 209.65,156.1 232.31,156.1 J6.24 234.94,156.21 257.8,156.21 J8.24 260.35,156.23 283.68,156.23 J7.24
R\~{W}: length 380.4
  V1.Cu w0.25: v1(100.22,62.38) 100.18,62.41 100.18,115.17 v1(100.33,115.32) ; v1(207.01,62.23) v1(207.01,137.16)
  H1.Cu w0.25: UART1.28 175.24,62.23 GPIO_CTRL1.22 v1(207.01,62.23) ; 85.09,115.57 100.08,115.57 v1(100.33,115.32)
  V2.Cu w0.25: U3.23 138.44,62.3 138.47,62.27 ; 138.47,62.27 100.33,62.27 v1(100.22,62.38) 91.29,62.38 65SIB/MM1.22 ; 138.47,62.27 170.14,62.27 UART1.28
  H2.Cu w0.25: J7.37 286.2,138.43 262.9,138.43 J8.37 260.33,138.43 237.48,138.43 J6.37 234.96,138.43 212.08,138.43 J5.37 209.56,138.43 207.01,138.43 ; v1(207.01,137.16) 207.01,138.43 ; 207.01,138.43 186.69,138.43 J9.37
RAM1_EN: length 235.2
  V1.Cu w0.25: v1(103.38,15.24) v1(103.38,20.32) ; v1(232.76,14.69) 232.76,14.89 232.41,15.24 v1(232.41,109.22)
  H1.Cu w0.25: v1(103.38,20.32) 65SIB/MM1.2 ; v1(103.38,15.24) 217.7,15.24 218.27,14.66 232.72,14.66 v1(232.76,14.69) ; U2.31 v1(232.41,109.22)
RAM2_EN: length 198.4
  GND1.Cu w0.25: v1(103.38,22.86) 65SIB/MM1.3
  V1.Cu w0.25: v1(103.38,109.22) v1(103.38,22.86)
  H1.Cu w0.25: U2.2 v1(103.38,109.22)
RAM3_EN: length 234.6
  V1.Cu w0.25: v1(233.93,15.24) v1(233.93,106.68) ; v1(107.95,25.4) v1(107.95,17.27)
  H1.Cu w0.25: v1(233.93,106.68) U2.30 ; v1(107.95,17.27) 108.31,17.63 215.94,17.63 218.19,15.39 232.42,15.39 232.46,15.42 233.75,15.42 v1(233.93,15.24) ; 65SIB/MM1.4 v1(107.95,25.4)
RAM4_EN: length 197.9
  V1.Cu w0.25: v1(102.36,111.76) v1(102.36,27.94)
  H1.Cu w0.25: U2.1 v1(102.36,111.76) ; v1(102.36,27.94) 65SIB/MM1.5
RDY: length 248.8
  V1.Cu w0.25: v1(177.8,127) v1(177.8,149.86)
  H1.Cu w0.25: v1(177.8,149.86) J9.30 ; 70.25,128.26 71.51,127 125.6,127 127.58,125.03 127.95,125.03 128.46,125.53 130.5,125.53 131.45,124.58 132.2,124.58 132.73,125.1 132.73,125.53 176.33,125.53 v1(177.8,127) ; R18.1 CPU1.2
  V2.Cu w0.25: J9.30 184.15,148.59 207.02,148.59 J5.30 209.54,148.59 232.42,148.59 J6.30 234.94,148.59 257.8,148.59 J8.30 260.35,148.61 283.68,148.61 J7.30
ROM1_EN: length 238.6
  GND1.Cu w0.25: 65SIB/MM1.6 v1(111.51,30.48)
  V1.Cu w0.25: v1(111.51,100.08) v1(111.51,30.48)
  H1.Cu w0.25: v1(111.51,100.08) 111.79,100.36 272.54,100.36 U6.28
ROM2_EN: length 238.5
  V1.Cu w0.25: v1(110.49,33.02) 110.71,33.24 v1(110.71,102.62)
  H1.Cu w0.25: U6.29 272.36,102.72 212.89,102.72 212.79,102.62 v1(110.71,102.62) ; 65SIB/MM1.7 v1(110.49,33.02)
